# Altium PCB IDL_18_020.PcbDoc (part 2 of 2)
Units mil, origin at the board's own origin, x right, y up, seen from the top; angles counter-clockwise.
Board outline 5500 x 4500 mil, 4 copper layers (Top Layer, MID PWR, MID GND, Bottom Layer), stack 61.2 mil thick; 66 components, 112 nets, 782 pads, 477 vias.
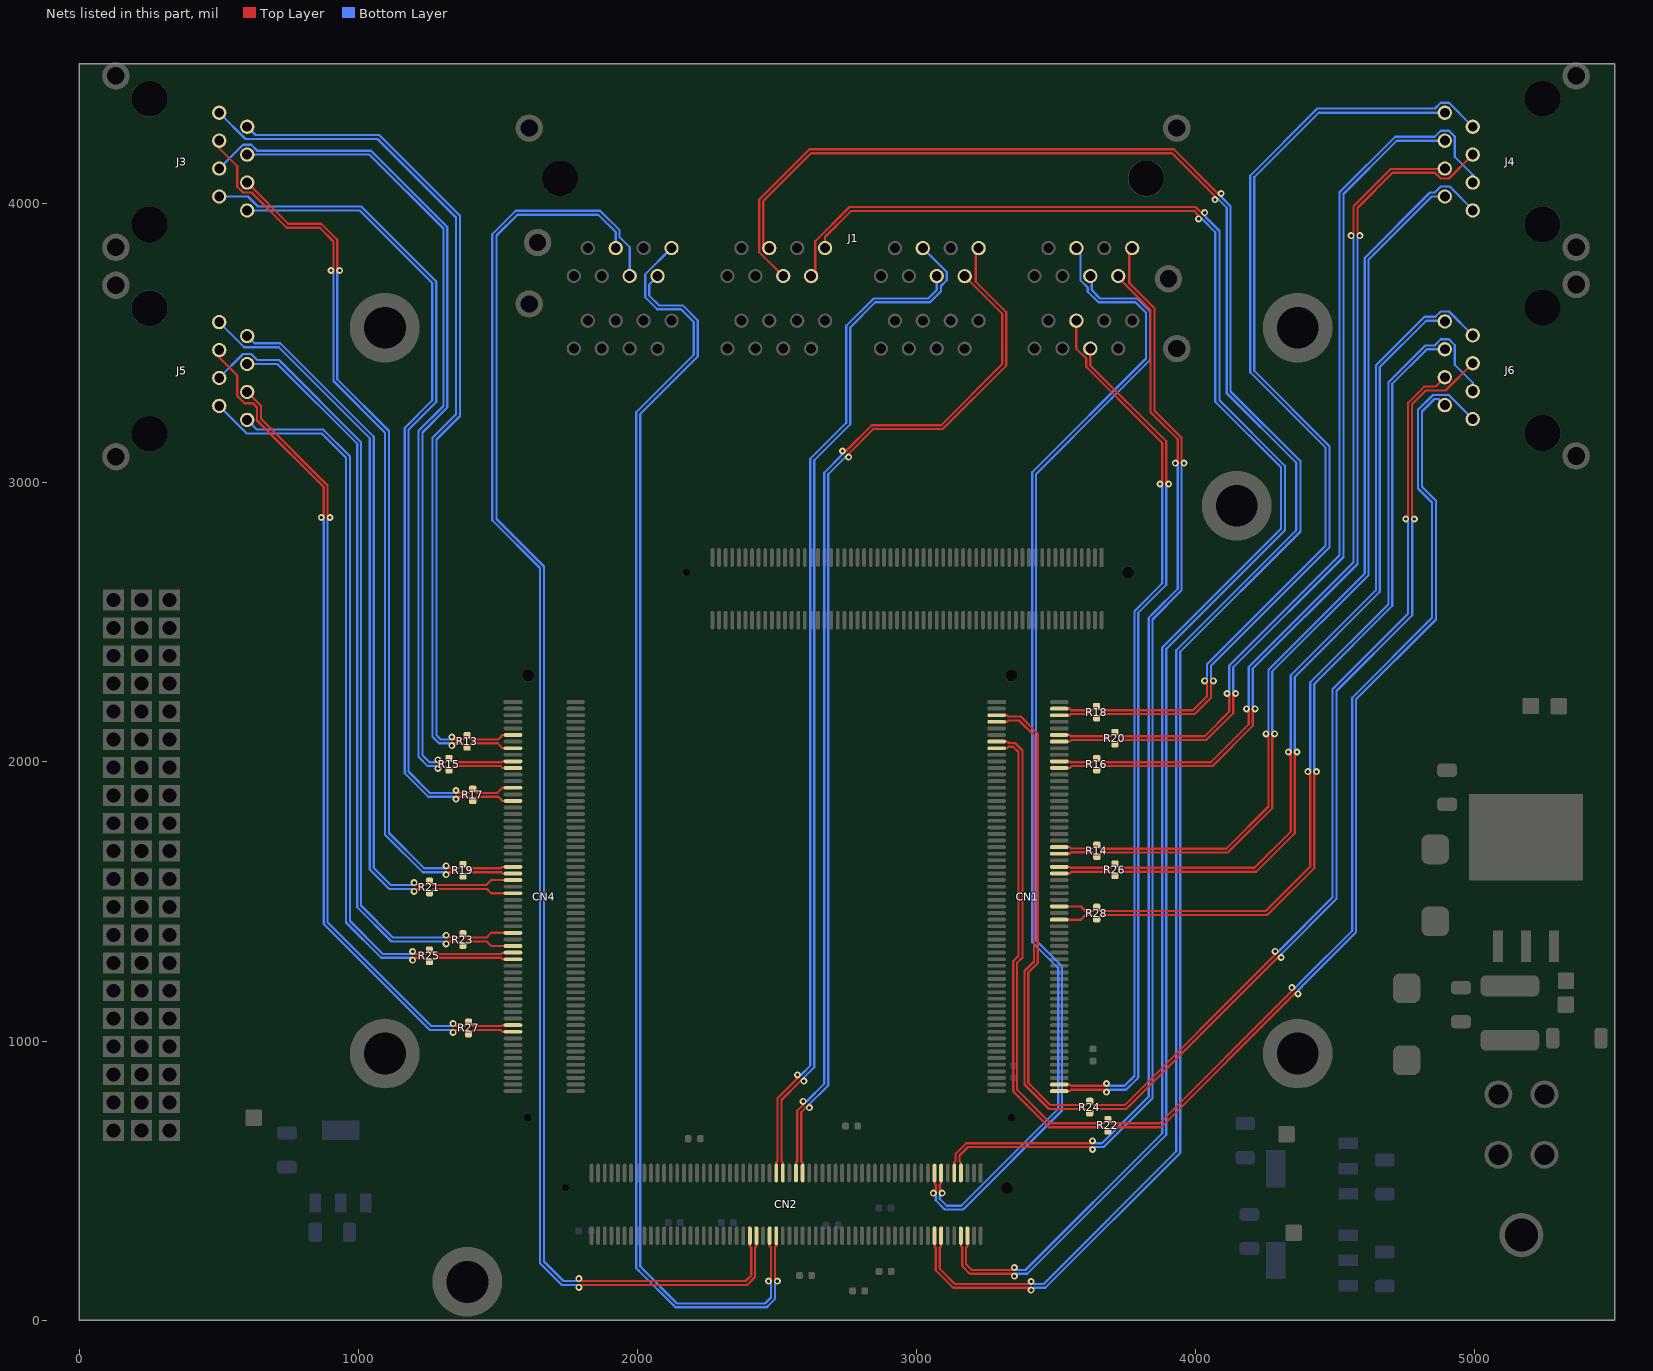
[diagram p4: the nets of this part, all layers, seen from the top]

## Via types
v1: diameter 25, hole 12, Top Layer to Bottom Layer, tented both sides, 316 vias
v2: diameter 25, hole 12, Top Layer to Bottom Layer, 161 vias

## Nets (pads, with @x,y where several pads share a name; then routed paths per layer and width w, separated by ;. In a path a pad name is that pad's centre, name@x,y a point inside that pad or via, vN(x,y) a via of type N, cw(c..) or ccw(c..) an arc to the next point about the centre after c; other vN are vias at no path point) (continued)
SC_DC_CLK4_N: CN1.61 J1.A4 | length 3082.5
  Top Layer w8: CN1.61@3510.81,820.51 3548.28,820.51 3553.09,825.32 3671.5,825.32 v1(3680,816.82) ; J1.A4@3622.13,3480.24 3622.13,3419.84 3894,3147.97 3894,3003.5 v1(3902.5,2995)
  Bottom Layer w8: v1(3680,816.82) 3688.5,825.32 3750.12,825.32 3789.9,865.1 ; 3789.9,865.1 3794,869.2 3794,2534 3894,2634 3894,2986.5 v1(3902.5,2995)
SC_DC_CLK4_P: CN1.62 J1.A5 | length 3174.2
  Top Layer w8: CN1.62@3510.81,844.13 3548.28,844.13 3553.09,839.32 3671.5,839.32 v1(3680,847.82) ; J1.A5@3572.13,3580.24 3572.13,3479.9 3607.17,3444.86 3607.17,3415 3827.87,3194.3 3880,3142.17 3880,3003.5 v1(3871.5,2995)
  Bottom Layer w8: v1(3680,847.82) 3688.5,839.32 3744.32,839.32 3780,875 3780,2539.8 3880,2639.8 3880,2986.5 v1(3871.5,2995)
SC_DC_DATA1_N: CN2.86 J1.H4 | length 5426.7
  Top Layer w8: v1(1790,117.5) 1798.5,126 2392.77,126 2421.36,154.59 2421.36,260.52 2426.17,265.33 CN2.86@2426.17,302.8
  Bottom Layer w8: v1(1790,117.5) 1781.5,126 1729.2,126 1651,204.2 1651,2694 1480,2865 1480,3889.8 1564.2,3974 1865.8,3974 1936.11,3903.69 1936.11,3878.89 1972.12,3842.88 J1.H4@1972.12,3740.23
SC_DC_DATA1_P: CN2.85 J1.H5 | length 5218.6
  Top Layer w8: v1(1790,148.5) 1798.5,140 2386.97,140 2407.36,160.39 2407.36,260.52 2402.55,265.33 CN2.85@2402.55,302.8
  Bottom Layer w8: v1(1790,148.5) 1781.5,140 1735,140 1665,210 1665,2699.8 1495,2869.8 1495,3885 1570,3960 1860,3960 1922.11,3897.89 J1.H5@1922.11,3840.23 J1.H5@1922.46,3840.23
SC_DC_DATA2_N: CN2.113 J1.G4 | length 7078.3
  Top Layer w8: J1.G4@2522.12,3740.23 2521.78,3740.23 2436.52,3825.48 2436.52,4014.35 2616.17,4194 3920.8,4194 4078.89,4035.91 v1(4090.91,4035.91) ; CN2.113@3063.96,302.8 3063.96,265.33 3068.78,260.52 3068.78,178.39 3127.07,120.1 ; v1(3410,107.5) 3401.5,116 3131.17,116 ; 3127.07,120.1 3131.17,116 ; 3127.07,120.1 3131.17,116
  Bottom Layer w8: v1(3410,107.5) 3418.5,116 3460.8,116 3944,599.2 3944,2394 4375,2825 4375,3076.3 4124.5,3326.8 4124.5,3990.3 4089.9,4024.9 4089.9,4034.9 v1(4090.91,4035.91)
SC_DC_DATA2_P: CN2.114 J1.G5 | length 6859.5
  Top Layer w8: J1.G5@2472.11,3840.23 2462.34,3850 2450.52,3850 2450.52,4008.55 2621.97,4180 3915,4180 4068.99,4026.01 v1(4068.99,4013.99) ; CN2.114@3087.59,302.8 3087.59,265.33 3082.78,260.52 3082.78,184.19 3136.97,130 3401.5,130 v1(3410,138.5)
  Bottom Layer w8: v1(3410,138.5) 3418.5,130 3455,130 3930,605 3930,2399.8 4360,2829.8 4360,3071.5 4110,3321.5 4110.5,3322 4110.5,3984.5 4080,4015 4070,4015 v1(4068.99,4013.99)
SC_DC_DATA3_N: CN2.32 J1.F4 | length 3574.1
  Top Layer w8: CN2.32@2497.04,527.2 2497.04,564.67 2501.85,569.48 2501.85,794.68 2574.57,867.4 2574.57,877.4 v1(2573.35,878.62)
  Bottom Layer w8: v1(2573.35,878.62) 2585.79,878.62 2619,911.83 2619,3085.8 2748,3214.8 2748,3561.83 2846.17,3660 3041.97,3660 3072.12,3690.15 J1.F4@3072.12,3740.07
SC_DC_DATA3_P: CN2.31 J1.F5 | length 3718.7
  Top Layer w8: CN2.31@2520.66,527.2 2520.66,564.67 2515.85,569.48 2515.85,788.88 2584.47,857.5 2594.47,857.5 v1(2595.69,856.28)
  Bottom Layer w8: v1(2595.69,856.28) 2595.69,868.72 2633,906.03 2633,3080 2762,3209 2762,3556.03 2851.97,3646 3047.77,3646 3086.97,3685.2 3086.97,3704.59 3107.71,3725.33 3107.71,3754.82 3022.46,3840.07 J1.F5@3022.11,3840.07
SC_DC_DATA4_N: CN2.8 J1.E4 | length 4085.7
  Top Layer w8: v1(3059.98,455) 3063.78,455 3068.78,460 3068.78,484.93 3063.96,489.74 CN2.8@3063.96,527.2
  Bottom Layer w8: v1(3059.98,455) 3068.78,446.2 3068.78,429.2 3101.98,396 3165.8,396 3521,751.2 3521,1266.8 3516.9,1270.9 3428,1359.8 3428,3031.2 3699,3302.2 3831.87,3435.07 3835.97,3439.17 3835.97,3614.1 3790.07,3660 3656.97,3660 3626.97,3690 3626.97,3735.38 J1.E4@3622.12,3740.23
SC_DC_DATA4_P: CN2.7 J1.E5 | length 4154.2
  Top Layer w8: CN2.7@3087.59,527.2 3087.59,489.74 3082.78,484.93 3082.78,460 3087.78,455 v1(3091.57,455)
  Bottom Layer w8: v1(3091.57,455) 3082.78,446.2 3082.78,435 3107.78,410 3160,410 3507,757 3507,1261 3414,1354 3414,3037 3821.97,3444.97 3821.97,3608.3 3784.27,3646 3651.17,3646 3612.97,3684.2 3612.97,3699.05 3586.53,3725.49 3586.53,3825.82 J1.E5@3572.12,3840.23
SC_DC_RX1_N: CN2.88 J1.H2 | length 4530.5
  Top Layer w8: v1(2469.43,140) 2478.22,148.8 2478.22,260.52 2473.41,265.33 CN2.88@2473.41,302.8
  Bottom Layer w8: J1.H2@2072.12,3739.84 2041.97,3709.69 2041.97,3670 2076.97,3635 2161.97,3635 2215.97,3581 2215.97,3452.17 2010,3246.2 2010,191.97 2010.8,191.97 2019,183.77 2019,182.97 2141.97,60 2456.97,60 2478.22,81.26 2478.22,131.2 v1(2469.43,140)
SC_DC_RX1_P: CN2.89 J1.H1 | length 4703.8
  Top Layer w8: CN2.89@2497.04,302.8 2497.04,265.33 2492.22,260.52 2492.22,148.8 v1(2501.02,140)
  Bottom Layer w8: J1.H1@2122.11,3840.23 2027.97,3746.08 2027.97,3664.2 2071.17,3621 2156.17,3621 2201.97,3575.2 2201.97,3457.97 1996,3252 1996,186.17 2004.2,177.97 2005,177.97 2005,177.17 2136.17,46 2462.77,46 2466.87,50.1 2492.22,75.46 2492.22,131.2 v1(2501.02,140)
SC_DC_RX2_N: CN2.117 J1.G2 | length 6255.5
  Top Layer w8: J1.G2@2622.12,3739.84 2636.52,3754.24 2636.52,3864.35 2759.67,3987.5 3999.3,3987.5 4002.8,3984 4019.89,3966.91 v1(4031.91,3966.91) ; CN2.117@3158.45,302.8 3158.45,265.33 3163.26,260.52 3163.26,193.91 3187.07,170.1 3191.17,166 3341.5,166 v1(3350,157.5)
  Bottom Layer w8: v1(3350,157.5) 3358.5,166 3395.8,166 3894,664.2 3894,2404 4314.9,2824.9 ; v1(4031.91,3966.91) 4031.91,3954.89 4038.4,3948.4 4085,3901.8 4085,3294.8 4319,3060.8 4319,2829 ; 4314.9,2824.9 4319,2829 ; 4314.9,2824.9 4319,2829
SC_DC_RX2_P: CN2.118 J1.G1 | length 6041.6
  Top Layer w8: J1.G1@2672.11,3840.23 2672.11,3880.15 2765.47,3973.5 3993.5,3973.5 4009.99,3957.01 v1(4009.99,3944.99) ; CN2.118@3182.07,302.8 3182.07,265.33 3177.26,260.52 3177.26,199.7 3196.97,180 3341.5,180 v1(3350,188.5)
  Bottom Layer w8: v1(3350,188.5) 3358.5,180 3390,180 3880,670 3880,2409.8 4305,2834.8 4305,3055 4070,3290 4070,3897 4022.01,3944.99 v1(4009.99,3944.99)
SC_DC_RX3_N: CN2.29 J1.F2 | length 3734.5
  Top Layer w8: CN2.29@2567.9,527.2 2567.9,564.67 2572.71,569.48 2572.71,750.54 2593.35,771.18 v1(2593.35,783.62) ; v1(2734.59,3113.41) 2746.61,3113.41 2839.2,3206 3087.97,3206 3306.97,3425 3306.97,3604.83 J1.F2@3172.12,3739.68
  Bottom Layer w8: v1(2593.35,783.62) 2605.79,783.62 2669,846.83 2669,3035.8 2734.59,3101.39 v1(2734.59,3113.41)
SC_DC_RX3_P: CN2.28 J1.F1 | length 3828.4
  Top Layer w8: CN2.28@2591.52,527.2 2591.52,564.67 2586.71,569.48 2586.71,744.74 2603.25,761.28 v1(2615.69,761.28) ; v1(2756.51,3091.49) 2756.51,3103.51 2845,3192 3093.77,3192 3320.97,3419.2 3320.97,3610.63 3211.97,3719.63 3211.97,3829.92 J1.F1@3222.11,3840.07
  Bottom Layer w8: v1(2615.69,761.28) 2615.69,773.72 2683,841.03 2683,3030 2744.49,3091.49 v1(2756.51,3091.49)
SC_DC_RX4_N: CN2.5 J1.E2 | length 3941.5
  Top Layer w8: CN2.5@3134.83,527.2 3134.83,564.67 3139.64,569.48 3139.64,595.8 3177.84,634 3621.5,634 v1(3630,642.5) ; J1.E2@3722.12,3724.85 J1.E2@3722.12,3734.85 ; J1.E2@3722.12,3740.23 J1.E2@3722.12,3734.85 ; 3855.1,3235.1 3837.97,3252.23 3837.97,3619 J1.E2@3722.12,3734.85 ; 3855.1,3235.1 3935,3155.2 3935,3078.5 v1(3926.5,3070)
  Bottom Layer w8: v1(3630,642.5) 3638.5,634 3664,634 3831,801 3831,2516 3850,2535 3935,2620 3935,3061.5 v1(3926.5,3070)
SC_DC_RX4_P: CN2.4 J1.E1 | length 4025
  Top Layer w8: CN2.4@3158.45,527.2 3158.45,564.67 3153.64,569.48 3153.64,590 3183.64,620 3621.5,620 v1(3630,611.5) ; J1.E1@3772.12,3840.23 3761.97,3830.08 3761.97,3714.8 3791.97,3684.8 3851.97,3624.8 3851.97,3258.03 3949,3161 3949,3078.5 v1(3957.5,3070)
  Bottom Layer w8: v1(3630,611.5) 3638.5,620 3669.8,620 3845,795.2 3845,2510.2 3949,2614.2 3949,3061.5 v1(3957.5,3070)
TRIG_AUX1_N: CN4.6 J3.A2 R13.1 | length 3095.5
  Top Layer w8: v1(1335,2088.85) 1343.5,2080.35 1375.35,2080.35 R13.1@1390,2095 1404.65,2080.35 1500.9,2080.35 1516.66,2096.1 CN4.6@1554.12,2096.1
  Bottom Layer w8: J3.A2@601.97,4275 631.97,4245 1074.8,4245 1364,3955.8 1364,3239 1280,3155 1280,2095.35 1295,2080.35 1326.5,2080.35 v1(1335,2088.85)
TRIG_AUX1_P: CN4.8 J3.A1 R13.2 | length 3223
  Top Layer w8: v1(1335,2057.85) 1343.5,2066.35 1375.35,2066.35 R13.2@1390,2051.69 1404.65,2066.35 1499.17,2066.35 1516.66,2048.86 CN4.8@1554.12,2048.86
  Bottom Layer w8: J3.A1@501.97,4325 501.97,4324.67 595.64,4231 1069,4231 1350,3950 1350,3244.8 1266,3160.8 1266,2089.55 1289.2,2066.35 1326.5,2066.35 v1(1335,2057.85)
TRIG_AUX2_N: CN4.10 J3.A5 R15.1 | length 3259.1
  Top Layer w8: v1(1285,2007.15) 1293.5,1998.65 1310.34,1998.65 R15.1@1324.99,2013.31 1339.64,1998.65 1513.7,1998.65 1516.66,2001.61 CN4.10@1554.12,2001.61
  Bottom Layer w8: J3.A5@501.97,4125 501.97,4125.33 587.23,4210.59 616.71,4210.59 637.56,4189.74 637.56,4189 1045.8,4189 1319,3915.8 1319,3269 1230,3180 1230,2023.65 1255,1998.65 1276.5,1998.65 v1(1285,2007.15)
TRIG_AUX2_P: CN4.11 J3.A4 R15.2 | length 3115.6
  Top Layer w8: v1(1285,1976.15) 1293.5,1984.65 1310.34,1984.65 R15.2@1324.99,1970 1339.64,1984.65 1510,1984.65 1516.66,1977.99 CN4.11@1554.12,1977.99
  Bottom Layer w8: J3.A4@601.97,4175 1040,4175 1305,3910 1305,3274.8 1216,3185.8 1216,2017.85 1249.2,1984.65 1276.5,1984.65 v1(1285,1976.15)
TRIG_AUX3_N: CN4.16 J3.A8 R17.1 | length 3016
  Top Layer w8: v1(1350,1866.15) 1358.5,1874.65 1395.35,1874.65 R17.1@1410,1860 1424.65,1874.65 1501.89,1874.65 1516.66,1859.88 CN4.16@1554.12,1859.88
  Bottom Layer w8: J3.A8@601.97,3975 1005,3975 1265,3715 1265,3294.8 1166,3195.8 1166,1959.2 1250.55,1874.65 1341.5,1874.65 v1(1350,1866.15)
TRIG_AUX3_P: CN4.14 J3.A7 R17.2 | length 3132.4
  Top Layer w8: v1(1350,1897.15) 1358.5,1888.65 1395.35,1888.65 R17.2@1410,1903.31 1424.65,1888.65 1498.18,1888.65 1516.66,1907.13 CN4.14@1554.12,1907.13
  Bottom Layer w8: J3.A7@501.97,4025 605,4025 641,3989 1010.8,3989 1279,3720.8 1279,3289 1180,3190 1180,1965 1256.35,1888.65 1341.5,1888.65 v1(1350,1897.15)
TRIG_AUX4_N: CN4.26 J3.A6 R19.1 | length 3134.3
  Top Layer w8: J3.A6@601.97,4075 749.47,3927.5 867.5,3927.5 925,3870 925,3768.5 v1(933.5,3760) ; v1(1315,1627.15) 1323.5,1618.65 1360.35,1618.65 R19.1@1375,1633.31 1389.65,1618.65 1511.65,1618.65 1516.66,1623.66 CN4.26@1554.12,1623.66
  Bottom Layer w8: v1(933.5,3760) 925,3751.5 925,3370 1110,3185 1110,1745 1236.35,1618.65 1306.5,1618.65 v1(1315,1627.15)
TRIG_AUX4_P: CN4.27 J3.A3 R19.2 | length 3360.9
  Top Layer w8: J3.A3@501.97,4225 501.97,4198.03 566.38,4133.62 566.38,4060.26 587.23,4039.41 617.76,4039.41 743.67,3913.5 861.7,3913.5 911,3864.2 911,3768.5 v1(902.5,3760) ; v1(1315,1596.15) 1323.5,1604.65 1360.35,1604.65 R19.2@1375,1590 1389.65,1604.65 1512.04,1604.65 1516.66,1600.04 CN4.27@1554.12,1600.04
  Bottom Layer w8: v1(902.5,3760) 911,3751.5 911,3364.2 1096,3179.2 1096,1739.2 1230.55,1604.65 1306.5,1604.65 v1(1315,1596.15)
TRIG_AUX5_N: CN4.28 J5.A2 R21.1 | length 2698.1
  Top Layer w8: v1(1200,1567.15) 1208.5,1558.65 1240.35,1558.65 R21.1@1255,1573.31 1269.65,1558.65 1458.72,1558.65 1476.49,1576.42 CN4.28@1554.12,1576.42
  Bottom Layer w8: J5.A2@601.97,3525 627.97,3499 720.8,3499 1055,3164.8 1055,1620 1116.35,1558.65 1191.5,1558.65 v1(1200,1567.15)
TRIG_AUX5_P: CN4.30 J5.A1 R21.2 | length 2823.9
  Top Layer w8: v1(1200,1536.15) 1208.5,1544.65 1240.35,1544.65 R21.2@1255,1530 1269.65,1544.65 1461.01,1544.65 1476.49,1529.17 CN4.30@1554.12,1529.17
  Bottom Layer w8: J5.A1@501.97,3575 501.97,3574.67 591.64,3485 715,3485 1041,3159 1041,1614.2 1110.55,1544.65 1191.5,1544.65 v1(1200,1536.15)
TRIG_AUX6_N: CN4.36 J5.A5 R23.1 | length 2954.5
  Top Layer w8: v1(1315,1378.85) 1315,1375.35 1320,1370.35 1360.35,1370.35 R23.1@1375,1385 1389.65,1370.35 1459.39,1370.35 1476.49,1387.44 CN4.36@1554.12,1387.44
  Bottom Layer w8: J5.A5@501.97,3375 501.97,3375.33 587.23,3460.59 606,3460.59 606,3460.8 606.21,3460.59 616.71,3460.59 638.3,3439 715.8,3439 1010,3144.8 1010,1485 1124.65,1370.35 1306.5,1370.35 v1(1315,1378.85)
TRIG_AUX6_P: CN4.38 J5.A4 R23.2 | length 2809.2
  Top Layer w8: v1(1315,1347.85) 1315,1351.35 1320,1356.35 1360.35,1356.35 R23.2@1375,1341.69 1389.65,1356.35 1460.34,1356.35 1476.49,1340.2 CN4.38@1554.12,1340.2
  Bottom Layer w8: J5.A4@601.97,3425 710,3425 996,3139 996,1479.2 1118.85,1356.35 1306.5,1356.35 v1(1315,1347.85)
TRIG_AUX7_N: CN4.39 J5.A8 R25.1 | length 2740.8
  Top Layer w8: v1(1195,1320.5) 1203.5,1312 1240.35,1312 R25.1@1255,1326.65 1269.65,1312 1512.08,1312 1516.66,1316.57 CN4.39@1554.12,1316.57
  Bottom Layer w8: J5.A8@601.97,3225 636.97,3190 874.8,3190 970,3094.8 970,1430 1088,1312 1186.5,1312 v1(1195,1320.5)
TRIG_AUX7_P: CN4.40 J5.A7 R25.2 | length 2867.7
  Top Layer w8: v1(1195,1289.5) 1203.5,1298 1240.35,1298 R25.2@1255,1283.35 1269.65,1298 1511.61,1298 1516.66,1292.95 CN4.40@1554.12,1292.95
  Bottom Layer w8: J5.A7@501.97,3275 501.97,3274.67 600.64,3176 869,3176 956,3089 956,1424.2 1082.2,1298 1186.5,1298 v1(1195,1289.5)
TRIG_AUX8_N: CN4.50 J5.A6 R27.1 | length 2864.7
  Top Layer w8: J5.A6@601.97,3325 651.56,3275.41 651.56,3228.44 890,2990 890,2883.5 v1(898.5,2875) ; v1(1340,1062.15) 1348.5,1053.65 1380.35,1053.65 R27.1@1395,1068.31 1409.65,1053.65 1513.58,1053.65 1516.66,1056.73 CN4.50@1554.12,1056.73
  Bottom Layer w8: v1(898.5,2875) 890,2866.5 890,1425 1261.35,1053.65 1331.5,1053.65 v1(1340,1062.15)
TRIG_AUX8_P: CN4.51 J5.A3 R27.2 | length 3092.9
  Top Layer w8: J5.A3@501.97,3475 501.97,3448.03 566.38,3383.62 566.38,3310.26 592.43,3284.2 622.97,3284.2 637.56,3269.61 637.56,3222.64 876,2984.2 876,2883.5 v1(867.5,2875) ; v1(1340,1031.15) 1348.5,1039.65 1380.35,1039.65 R27.2@1395,1025 1409.65,1039.65 1510.11,1039.65 1516.66,1033.11 CN4.51@1554.12,1033.11
  Bottom Layer w8: v1(867.5,2875) 876,2866.5 876,1419.2 1255.55,1039.65 1331.5,1039.65 v1(1340,1031.15)
TRIG_AUX9_N: CN1.97 J4.A2 R14.1 | length 3325.7
  Top Layer w8: CN1.97@3510.81,1670.91 3548.28,1670.91 3553.09,1675.72 3629.28,1675.72 R14.1@3645.37,1659.63 3660.02,1675 4114.8,1675 4274,1834.2 4274,2091.5 v1(4282.5,2100)
  Bottom Layer w8: v1(4282.5,2100) 4274,2108.5 4274,2324 4619,2669 4619,3799 4845,4025 J4.A2@4891.97,4025
TRIG_AUX9_P: CN1.98 J4.A1 R14.2 | length 3469.7
  Top Layer w8: CN1.98@3510.81,1694.53 3548.28,1694.53 3553.09,1689.72 3632.15,1689.72 R14.2@3645.37,1702.94 3659.31,1689 4109,1689 4260,1840 4260,2091.5 v1(4251.5,2100)
  Bottom Layer w8: v1(4251.5,2100) 4260,2108.5 4260,2329.8 4605,2674.8 4605,3804.8 4839.2,4039 4855.64,4039 4877.23,4060.59 4909.21,4060.59 4991.97,3977.83 J4.A1@4991.97,3975
TRIG_AUX10_N: CN1.110 J4.A5 R16.1 | length 3303.7
  Top Layer w8: CN1.110@3510.81,1977.99 3548.28,1977.99 3554.94,1984.65 3630.35,1984.65 R16.1@3645,1970 3659.65,1984.65 4059.45,1984.65 4204,2129.2 4204,2185 4209,2190 v1(4212.5,2190) ; v1(4587.5,3885) 4579,3893.5 4579,3984.2 4704.8,4110 4856.64,4110 4877.23,4089.41 4906.71,4089.41 4991.97,4174.67 J4.A5@4991.97,4175
  Bottom Layer w8: v1(4212.5,2190) 4204,2198.5 4204,2334 4579,2709 4579,3876.5 v1(4587.5,3885)
TRIG_AUX10_P: CN1.111 J4.A4 R16.2 | length 3179.6
  Top Layer w8: CN1.111@3510.81,2001.61 3548.28,2001.61 3551.24,1998.65 3630.35,1998.65 R16.2@3645,2013.31 3659.65,1998.65 4053.65,1998.65 4190,2135 4190,2185 4185,2190 v1(4181.5,2190) ; v1(4556.5,3885) 4565,3893.5 4565,3990 4699,4124 J4.A4@4890.97,4124 ; J4.A4@4876.7,4109.73 J4.A4@4890.97,4124 ; J4.A4@4891.97,4124 J4.A4@4890.97,4124 ; J4.A4@4891.97,4125 J4.A4@4890.97,4124
  Bottom Layer w8: v1(4181.5,2190) 4190,2198.5 4190,2339.8 4565,2714.8 4565,3876.5 v1(4556.5,3885)
TRIG_AUX11_N: CN1.118 J4.A8 R18.1 | length 3519.5
  Top Layer w8: CN1.118@3510.81,2166.97 3548.28,2166.97 3552.31,2171 3630,2171 R18.1@3644.65,2156.35 3659.31,2171 3995.8,2171 4049.9,2225.1 ; 4049.9,2225.1 4054,2229.2 4054,2281.5 v1(4062.5,2290)
  Bottom Layer w8: v1(4062.5,2290) 4054,2298.5 4054,2344 4479,2769 4479,3130.8 4209,3400.8 4209,4094 4440,4325 J4.A8@4891.97,4325
TRIG_AUX11_P: CN1.119 J4.A7 R18.2 | length 3664.7
  Top Layer w8: CN1.119@3510.81,2190.59 3548.28,2190.59 3553.87,2185 3630,2185 R18.2@3644.65,2199.65 3659.31,2185 3990,2185 4040,2235 4040,2281.5 v1(4031.5,2290)
  Bottom Layer w8: v1(4031.5,2290) 4040,2298.5 4040,2349.8 4465,2774.8 4465,3125 4195,3395 4195,4099.8 4435.2,4340 4856.64,4340 4877.23,4360.59 4906.71,4360.59 4991.97,4275.33 J4.A7@4991.97,4275
TRIG_AUX12_N: CN1.114 J4.A6 R20.1 | length 3150
  Top Layer w8: CN1.114@3510.81,2072.48 3548.28,2072.48 3553.8,2078 3695.36,2078 R20.1@3710.01,2063.35 3724.66,2078 4037.8,2078 4134,2174.2 4134,2236.5 v1(4142.5,2245)
  Bottom Layer w8: v1(4142.5,2245) 4134,2253.5 4134,2339 4529,2734 4529,4034 4720,4225 J4.A6@4891.97,4225
TRIG_AUX12_P: CN1.115 J4.A3 R20.2 | length 3394
  Top Layer w8: CN1.115@3510.81,2096.1 3548.28,2096.1 3552.38,2092 3695.36,2092 R20.2@3710.01,2106.65 3724.66,2092 4032,2092 4120,2180 4120,2236.5 v1(4111.5,2245)
  Bottom Layer w8: v1(4111.5,2245) 4120,2253.5 4120,2344.8 4515,2739.8 4515,4039.8 4714.2,4239 4855.64,4239 4877.23,4260.59 4906.71,4260.59 4927.56,4239.74 4927.56,4167.44 4991.97,4103.03 J4.A3@4991.97,4075
TRIG_AUX13_N: CN1.8 J6.A2 R22.1 | length 5016.1
  Top Layer w8: CN1.8@3286.41,2048.86 3323.87,2048.86 3328.68,2053.67 3346.33,2053.67 3365,2035 3365,1305 3350,1290 3345.9,1285.9 3345.9,819.3 3350,815.2 3473.85,691.35 3670.35,691.35 R22.1@3685,676.69 3699.65,691.35 3876.15,691.35 4353.89,1169.09 v1(4365.91,1169.09)
  Bottom Layer w8: v1(4365.91,1169.09) 4365.91,1181.11 4394.9,1210.1 4574,1389.2 4574,2224 4860,2510 4860,2935 4810,2985 4810,3255 4855,3300 4869.67,3300 J6.A2@4891.97,3277.71
TRIG_AUX13_P: CN1.7 J6.A1 R22.2 | length 5142.8
  Top Layer w8: CN1.7@3286.41,2072.48 3323.87,2072.48 3328.68,2067.67 3352.13,2067.67 3379,2040.8 3379,1299.2 3359.9,1280.1 3359.9,825.1 3479.65,705.35 3670.35,705.35 R22.2@3685,720 3699.65,705.35 3870.35,705.35 4343.99,1178.99 v1(4343.99,1191.01)
  Bottom Layer w8: v1(4343.99,1191.01) 4356.01,1191.01 4385,1220 4560,1395 4560,2229.8 4846,2515.8 4846,2929.2 4796,2979.2 4796,3260.8 4849.2,3314 4906.01,3314 4991.97,3228.04 J6.A1@4991.97,3227.71
TRIG_AUX14_N: CN1.4 J6.A5 R24.1 | length 5076.9
  Top Layer w8: CN1.4@3286.41,2143.35 3323.87,2143.35 3328.68,2148.16 3366.84,2148.16 3420,2095 3420,1285 3386,1251 3386,844.2 3473.85,756.35 3605.35,756.35 R24.1@3620,741.69 3634.65,756.35 3751.15,756.35 4293.89,1299.09 v1(4305.91,1299.09) ; v1(4783,2870) 4774.5,2878.5 4774.5,3280.5 4824,3330 4894.59,3330 4991.97,3427.37 J6.A5@4991.97,3427.71
  Bottom Layer w8: v1(4305.91,1299.09) 4305.91,1311.11 4504,1509.2 4504,1898.5 4504,2254 4775,2525 4775,2862 v1(4783,2870)
TRIG_AUX14_P: CN1.3 J6.A4 R24.2 | length 4949.8
  Top Layer w8: CN1.3@3286.41,2166.97 3323.87,2166.97 3328.68,2162.16 3372.64,2162.16 3434,2100.8 3434,1279.2 3400,1245.2 3400,850 3479.65,770.35 3605.35,770.35 R24.2@3620,785 3634.65,770.35 3745.35,770.35 4283.99,1308.99 v1(4283.99,1321.01) ; v1(4752,2870) 4760.5,2878.5 4760.5,3286.3 4818.2,3344 4858.26,3344 J6.A4@4891.97,3377.71
  Bottom Layer w8: v1(4283.99,1321.01) 4296.01,1321.01 4490,1515 4490,2260 4760,2530 4760,2862 v1(4752,2870)
TRIG_AUX15_N: CN1.94 J6.A8 R26.1 | length 3022.9
  Top Layer w8: CN1.94@3510.81,1600.04 3548.28,1600.04 3554.59,1606.35 3695.73,1606.35 R26.1@3710.38,1591.69 3725.03,1606.35 4216.15,1606.35 4354,1744.2 4354,2030 4359,2035 v1(4362.5,2035)
  Bottom Layer w8: v1(4362.5,2035) 4354,2043.5 4354,2304 4659,2609 4659,3414 4825,3580 4889.67,3580 J6.A8@4891.97,3577.71
TRIG_AUX15_P: CN1.95 J6.A7 R26.2 | length 3164.4
  Top Layer w8: CN1.95@3510.81,1623.66 3548.28,1623.66 3551.59,1620.35 3695.73,1620.35 R26.2@3710.38,1635 3725.03,1620.35 4210.35,1620.35 4340,1750 4340,2030 4335,2035 v1(4331.5,2035)
  Bottom Layer w8: v1(4331.5,2035) 4340,2043.5 4340,2309.8 4645,2614.8 4645,3419.8 4819.2,3594 4857.93,3594 4877.23,3613.3 4906.71,3613.3 4991.97,3528.04 J6.A7@4991.97,3527.71
TRIG_AUX16_N: CN1.87 J6.A6 R28.1 | length 3098.8
  Top Layer w8: CN1.87@3510.81,1434.68 3588.45,1434.68 3605.07,1451.31 3630.39,1451.31 R28.1@3645,1436.69 3659.65,1451.35 4256.15,1451.35 4424,1619.2 4424,1956.5 v1(4432.5,1965)
  Bottom Layer w8: v1(4432.5,1965) 4424,1973.5 4424,2279 4704,2559 4704,3354 4827.71,3477.71 J6.A6@4891.97,3477.71
TRIG_AUX16_P: CN1.89 J6.A3 R28.2 | length 3343.8
  Top Layer w8: CN1.89@3510.81,1481.93 3588.45,1481.93 3605.07,1465.31 3630.31,1465.31 R28.2@3645,1480 3659.65,1465.35 4250.35,1465.35 4410,1625 4410,1956.5 v1(4401.5,1965)
  Bottom Layer w8: v1(4401.5,1965) 4410,1973.5 4410,2284.8 4690,2564.8 4690,3359.8 4821.91,3491.71 4856.38,3491.71 4856.38,3492.45 4877.23,3513.3 4906.71,3513.3 4927.56,3492.45 4927.56,3422.44 4991.97,3358.03 J6.A3@4991.97,3327.71
pads on no net: BB2.2 BB2.4 BB2.6 BB2.7 BB2.8 BB2.9 BB2.10 BB2.11 BB2.12 BB2.13 BB2.14 BB2.15 BB3.1 BB3.3 BB3.5 BB3.6 BB3.7 BB3.8 BB3.9 BB3.10 BB3.11 BB3.12 BB3.13 BB3.14 BB3.15 BB4.2 BB4.4 BB4.6 BB4.7 BB4.8 BB4.9 BB4.10 BB4.11 BB4.12 BB4.13 BB4.14 BB4.15 BB5.3 BB5.8 BB5.13 CN1.2 CN1.6 CN1.10 CN1.11 CN1.12 CN1.14 CN1.15 CN1.16 CN1.18 CN1.19 CN1.20 CN1.22 CN1.23 CN1.24 CN1.26 CN1.27 CN1.28 CN1.30 CN1.31 CN1.32 CN1.34 CN1.35 CN1.36 CN1.38 CN1.39 CN1.40 CN1.42 CN1.43 CN1.44 CN1.46 CN1.47 CN1.48 CN1.50 CN1.51 CN1.52 CN1.54 CN1.55 CN1.56 CN1.58 CN1.59 CN1.60 CN1.69 CN1.70 CN1.71 CN1.73 CN1.74 CN1.75 CN1.79 CN1.81 CN1.82 CN1.83 CN1.85 CN1.86 CN1.90 CN1.91 CN1.93 CN1.99 CN1.101 CN1.102 CN1.103 CN1.105 CN1.106 CN1.107 CN1.109 CN1.113 CN1.117 CN1.120 CN1.121 CN1.122 CN2.1 CN2.2 CN2.3 CN2.9 CN2.10 CN2.11 CN2.25 CN2.27 CN2.33 CN2.35 CN2.41 CN2.42 CN2.43 CN2.49 CN2.50 CN2.51 CN2.52 CN2.53 CN2.55 CN2.56 CN2.57 CN2.58 CN2.59 CN2.60 CN2.61 CN2.62 CN2.64 CN2.65 CN2.66 CN2.67 CN2.68 CN2.69 CN2.70 CN2.71 CN2.72 CN2.73 CN2.74 CN2.76 CN2.79 CN2.82 CN2.84 CN2.90 CN2.92 CN2.96 CN2.97 CN2.98 CN2.100 CN2.104 CN2.108 CN2.112 CN2.115 CN2.116 CN2.121 CN2.122 CN3.11 CN3.12 CN3.13 CN3.15 CN3.16 CN3.17 CN3.18 CN3.19 CN3.20 CN3.21 CN3.23 CN3.24 CN3.25 CN3.26 CN3.27 CN3.28 CN3.29 CN3.31 CN3.32 CN3.33 CN3.34 CN3.35 CN3.36 CN3.37 CN3.39 CN3.40 CN3.41 CN3.42 CN3.43 CN3.44 CN3.45 CN3.47 CN3.48 CN3.49 CN3.50 CN3.51 CN3.52 CN3.53 CN3.55 CN3.56 CN3.57 CN3.58 CN3.59 CN3.60 CN3.66 CN3.67 CN3.68 CN3.72 CN3.73 CN3.74 CN3.75 CN3.76 CN3.77 CN3.78 CN3.80 CN3.81 CN3.82 CN3.83 CN3.84 CN3.85 CN3.86 CN3.88 CN3.89 CN3.91 CN3.92 CN3.93 CN3.94 CN3.96 CN3.98 CN3.99 CN3.100 CN3.101 CN3.102 CN3.104 CN3.105 CN3.106 CN3.107 CN3.108 CN3.109 CN3.110 CN3.121 CN3.122 CN4.7 CN4.12 CN4.15 CN4.34 CN4.35 CN4.42 CN4.43 CN4.44 CN4.46 CN4.47 CN4.48 CN4.52 CN4.54 CN4.55 CN4.56 CN4.58 CN4.59 CN4.60 CN4.63 CN4.65 CN4.66 CN4.67 CN4.69 CN4.70 CN4.71 CN4.73 CN4.74 CN4.75 CN4.77 CN4.78 CN4.79 CN4.81 CN4.85 CN4.86 CN4.87 CN4.89 CN4.90 CN4.91 CN4.93 CN4.94 CN4.95 CN4.97 CN4.98 CN4.99 CN4.101 CN4.102 CN4.103 CN4.105 CN4.106 CN4.107 CN4.109 CN4.110 CN4.111 CN4.113 CN4.114 CN4.115 CN4.121 CN4.122 J1.M1 J1.M2 J1.M3 J1.M4 J1.M5 J1.M6 J1.M7 J1.M8 J3.M1 J3.M2 J3.M3 J3.M4 J4.M1 J4.M2 J4.M3 J4.M4 J5.M1 J5.M2 J5.M3 J5.M4 J6.M1 J6.M2 J6.M3 J6.M4 JPWR1.5

## Polygon pours and split planes (outlines as drawn)
GND on Top Layer "GND_Top" (solid, remove dead copper, pour order 57): 0,4500 5500,4500 5500,0 0,0
2V5 on Top Layer "top_plate2" (solid, pour order 53): 1600,2200 1575,2225 1450,2225 1425,2200 1425,2130 1440,2115 1585,2115 1600,2130
5V on Top Layer "top_plate2" (solid, pour order 35): 5205,1284.03 5205,1494.03 5275,1564.03 5375,1564.03 5425,1614.03 5425,2114.03 5375,2164.03 5025,2164.03 4975,2114.03 4975,1964.03 4925,1914.03 4875,1914.03 4800,1839.03 4800,1639.03 4875,1564.03 5125,1564.03 5165,1524.03 5165,1284.03
RawFor_5V on Top Layer "Raw_5V" (solid, pour order 25): 5196.97,750 5346.97,750 5346.97,1160 5285,1160 5170,1045 5021.43,1045 5023.52,960 5196.97,960
5V on Top Layer "top_plate2" (solid, pour order 21): 3490,2475 3490,2765 3670,2765 3670,2475
no net on Top Layer "top_plate2" (solid, pour order 19): 3486.97,2715
no net on Top Layer "top_plate2" (solid, pour order 17): 3486.97,2715
GND on Bottom Layer "GND_Bot" (solid, pour order 55): 0,4500 5500,4500 5500,0 0,0
2V5 on Bottom Layer "top_plate2" (solid, pour order 51): 921.97,390 961.97,390 961.97,481.1 980.87,500 1061.97,500 1081.97,520 1081.97,720 1021.97,780 731.97,780 671.97,720 671.97,640 721.97,600 729.08,600 781.97,600 809.02,572.95 809.02,500 899.13,500 921.97,477.17
RawFor_2.5V on Bottom Layer "top_plate2" (solid, pour order 49): 821.97,460 901.97,460 901.97,75 821.97,75
RawFor_2.5V on Bottom Layer "top_plate2" (solid, pour order 43): 4511.97,147.99 4511.97,77.99 4951.97,77.99 4951.97,147.99
1V2 on Bottom Layer "top_plate2" (solid, pour order 41): 4587.41,187.99 4477.41,187.99 4467.41,177.99 4467.41,87.99 4457.41,77.99 4247.41,77.99 4137.41,187.99 4137.41,274.49 4150.92,287.99 4467.41,287.99 4517.41,237.99 4587.41,237.99
3V3 on Bottom Layer "top_plate2" (solid, pour order 39): 4581.97,517.99 4471.97,517.99 4461.97,507.99 4461.97,417.99 4451.97,407.99 4241.97,407.99 4131.97,517.99 4131.97,604.49 4145.47,617.99 4461.97,617.99 4511.97,567.99 4581.97,567.99
RawFor_2.5V on Bottom Layer "top_plate2" (solid, pour order 37): 4511.97,487.99 4511.97,422.99 4951.97,422.99 4951.97,487.99
GND on MID GND (split plane): 5479.9,20.1 20.1,20.09 20.1,4479.9 5479.9,4479.91
5V on MID PWR (split plane): 5479.9,2220.83 5479.9,1574.05 4895.21,1574.05 3942.13,2527.13 3940.04,2528.74 3937.61,2529.74 3935,2530.09 3470.09,2530.09 3470.09,2709.91 4990.82,2709.91
3V3 on MID PWR (split plane): 4609.91,1103.82 4609.91,793 4609.91,379.09 4065.18,379.09 3707.13,737.13 3705.04,738.74 3702.61,739.74 3700,740.09 3464.18,740.09 3367.13,837.13 3098.13,1106.13 3096.04,1107.74 3093.61,1108.74 3091,1109.09 2525.09,1109.09 2525.09,2238.91 3474.82,2238.91
1V2 on MID PWR (split plane): 3352.87,822.87 3452.87,722.87 3454.96,721.26 3455.67,720.97 3457.39,720.26 3460,719.91 3695.82,719.91 4053.87,361.87 4055.96,360.26 4058.39,359.26 4061,358.91 4609.91,358.91 4609.91,20.1 1617.09,20.1 1617.09,463.82 2242.18,1088.91 3086.82,1088.91
2V5 on MID PWR (split plane): 2504.91,1109.09 2238,1109.09 2235.39,1108.74 2233.67,1108.03 2232.96,1107.74 2230.87,1106.13 1602.82,478.09 86.09,478.09 86.09,1118.82 1206.18,2238.91 2504.91,2238.91
RawFor_2.5V on MID PWR (split plane): 5479.9,2249.36 5002.13,2727.13 5000.04,2728.74 4997.61,2729.74 4995,2730.09 3460,2730.09 3457.39,2729.74 3454.96,2728.74 3452.87,2727.13 3451.26,2725.04 3450.26,2722.61 3449.91,2720 3449.91,2520 3450.26,2517.39 3451.26,2514.96 3452.87,2512.87 3454.96,2511.26 3457.39,2510.26 3460,2509.91 3930.82,2509.91 4883.9,1556.84 4885.99,1555.23 4888.42,1554.23 4891.03,1553.88 5479.9,1553.88 5479.9,20.1 4630.09,20.1 4630.09,793 4630.09,1108 4629.74,1110.61 4628.73,1113.04 4627.13,1115.13 3486.13,2256.13 3484.04,2257.74 3481.61,2258.74 3479,2259.09 1202,2259.09 1199.39,2258.74 1196.96,2257.74 1194.87,2256.13 68.87,1130.13 67.26,1128.04 66.26,1125.61 65.91,1123 65.91,468 66.26,465.39 67.26,462.96 68.87,460.87 70.96,459.26 73.39,458.26 76,457.91 1596.91,457.91 1596.91,20.1 20.1,20.09 20.1,4479.9 5479.9,4479.91

## Other copper
MID PWR (plane layer: these items are gaps in the copper):
  lines w20: 1607,4 1607,468 ; 2515,1105 2515,2249 ; 4620,0 4620,793 4620,1108 3479,2249 2895,2249 1969,2249 1202,2249 76,1123 76,468 1607,468 ; 4620,369 4061,369 3700,730 3460,730 3360,830 3091,1099 2791,1099 2238,1099 1607,468 ; 5505,1563.97 4955,1563.97 4891.03,1563.97 3935,2520 3460,2520 3460,2720 4995,2720 5505,2210

## Silkscreen, mask and mechanical layers (free items; w line width, h text height)
Top Overlay:
  lines w10: 73.03,830 373.03,830 ; 73.03,930 373.03,930 ; 375,680 425,680 ; 375,780 425,780 ; 375,985 425,985 ; 375,1085 425,1085 ; 430,680 430,780 ; 430,985 430,1085
  text "J3" at 3731.97,2775 h50
  text "60" at 2211.97,2765 h25
  text "1" at 3681.97,2760 h25
  text "J4_018_G23" at 390,2570 h25
  text "61" at 2211.97,2460 h25
  text "120" at 3676.97,2455 h25
  text "J4_019_G20" at 391.97,2365 h25
  text "J4" at 1441.97,2275 h50
  text "J1" at 3186.97,2275 h50
  text "1" at 1526.97,2235 h25 r90
  text "1" at 3261.97,2235 h25 r90
  text "120" at 1831.97,2230 h25 r90
  text "120" at 3566.97,2230 h25 r90
  text "J4_020_H24" at 392.47,2165 h25
  text "J4_022_H22" at 391.97,1965 h25
  text "J4_023_H21" at 397.47,1765 h25
  text "J4_024_H20" at 397.47,1565 h25
  text "SCROD_TO_RJ45_BOARD / IDL_18_020 / KPL" at 2338.97,1470 h25
  text "J4_031_K24" at 401.97,1365 h25
  text "J4_032_K22" at 406.97,1170 h25
  text "2V5" at 450,1005 h50
  text "60" at 1521.97,765 h25 r90
  text "61" at 1826.97,765 h25 r90
  text "60" at 3256.97,765 h25 r90
  text "61" at 3561.97,765 h25 r90
  text "GND" at 450,710 h50
  text "J2" at 3301.97,560 h50
  text "60" at 1776.97,555 h25
  text "1" at 3246.97,550 h25
  text "61" at 1776.97,250 h25
  text "120" at 3241.97,245 h25
Bottom Overlay:
  lines w10: 73.03,1130 373.03,1130 ; 75,930 375,930 ; 373.03,680 423.03,680 ; 373.03,780 423.03,780 ; 373.03,980 423.03,980 ; 373.03,1080 423.03,1080 ; 428.03,680 428.03,780 ; 428.03,980 428.03,1080 ; 73.03,630 373.03,630 ; 73.03,630 373.03,630 ; 73.03,630 73.03,2630 373.03,2630 373.03,630 ; 73.03,830 373.03,830 73.03,830
  text "J4_018_G23" at 645,2570 h25
  text "J4_019_G20" at 645,2360 h25
  text "J4_018_G23" at 645,2165 h25
  text "J4_022_H22" at 645,1965 h25
  text "J4_023_H21" at 645,1765 h25
  text "J4_024_H20" at 650,1565 h25
  text "J4_031_K24" at 650,1365 h25
  text "J4_032_K22" at 650,1170 h25
  text "2V5" at 580,1000 h50
  text "GND" at 580,710 h50
Board Outline:
  lines w40: 0,0 3771.97,0 5500,0 5500,4500 0,4500 0,0
Sheet Top:
  lines w3.9: -385.8,-4716.48 15414.11,-4716.48 15414.11,6763.43 -385.8,6763.43 -385.8,-4716.48 ; -285.54,-4616.77 15313.85,-4616.77 15313.85,6663.72 -285.54,6663.72 -285.54,-4616.77
  lines w3.94: 8624.2,-4616.77 8624.2,-3906.57 15313.85,-3906.57 ; 8624.2,-4265.81 15314.2,-4265.81 ; 8624.2,-4146.57 13444.2,-4146.57 ; 8624.2,-4026.57 13444.2,-4026.57 ; 10129.2,-4265.81 10129.2,-3906.57 ; 11129.2,-4265.81 11129.2,-3906.57 ; 12719.2,-4265.81 12719.2,-3906.57 ; 13444.2,-4616.77 13444.2,-3906.57 ; 13444.2,-4086.57 15313.85,-4086.57
  text "Designer:" at 8649.2,-3996.57 h100
  text ".Designer" at 9214.2,-4001.57 h100
  text "Revision:" at 10154.2,-4001.57 h100
  text ".Version" at 10714.2,-4001.57 h100
  text "File:" at 11154.2,-4001.57 h100
  text ".Pcb_File_Name_No_Path" at 11354.2,-4001.57 h100
  text "Sheet  1 of  1" at 12749.2,-4001.57 h100
  text "Code:" at 13469.2,-4046.57 h100
  text "Drawn By:" at 8649.2,-4116.57 h100
  text ".Drawn_By" at 9214.2,-4116.57 h100
  text "Modif. Date:" at 10154.2,-4121.57 h100
  text "Date" at 10659.2,-4121.57 h100
  text "Variant:" at 11154.2,-4121.57 h100
  text ".VariantName" at 11519.2,-4121.57 h100
  text "ID:" at 13474.2,-4226.57 h100
  text "Approved By:" at 8649.2,-4236.57 h100
  text ".Approved_By" at 9214.2,-4236.57 h100
  text "Print Date:" at 10154.2,-4241.57 h100
  text ".Print_Date" at 10659.2,-4241.57 h100
  text "Signature:" at 11154.2,-4241.57 h100
  text "Size:  A3 H" at 12749.2,-4241.57 h100
  text "Title:" at 8649.2,-4366.57 h100
  text "University of Hawaii at Manoa" at 13475.62,-4374.84 h100
  text "High Energy Physics Group" at 13475.62,-4473.27 h100
  text ".Printout_Name" at 8874.2,-4506.57 h160
  text "Instrumentation Development Laboratory" at 13475.62,-4575.63 h100
Sheet Bot:
  lines w3.9: -386.06,-4716.28 -386.06,6763.62 15413.85,6763.62 15413.85,-4716.28 -386.06,-4716.28 ; -285.8,-4616.57 -285.8,6663.92 15313.58,6663.92 15313.58,-4616.57 -285.8,-4616.57
  lines w3.94: -286.15,-4265.62 6403.85,-4265.62 ; -285.8,-4086.38 1583.85,-4086.38 ; -285.8,-3906.38 6403.85,-3906.38 6403.85,-4616.57 ; 1583.85,-4616.57 1583.85,-3906.38 ; 1583.85,-4146.38 6403.85,-4146.38 ; 1583.85,-4026.38 6403.85,-4026.38 ; 2308.85,-4265.62 2308.85,-3906.38 ; 3898.85,-4265.62 3898.85,-3906.38 ; 4898.85,-4265.62 4898.85,-3906.38
  text "Designer:" at 6378.85,-3996.38 h100
  text "Sheet  1 of  1" at 2278.85,-4001.38 h100
  text ".Pcb_File_Name_No_Path" at 3673.85,-4001.38 h100
  text "File:" at 3873.85,-4001.38 h100
  text ".Version" at 4313.85,-4001.38 h100
  text "Revision:" at 4873.85,-4001.38 h100
  text ".Designer" at 5813.85,-4001.38 h100
  text "Code:" at 1558.85,-4046.38 h100
  text ".Drawn_By" at 5813.85,-4116.38 h100
  text "Drawn By:" at 6378.85,-4116.38 h100
  text ".VariantName" at 3508.85,-4121.38 h100
  text "Variant:" at 3873.85,-4121.38 h100
  text "Date" at 4368.85,-4121.38 h100
  text "Modif. Date:" at 4873.85,-4121.38 h100
  text "ID:" at 1553.85,-4226.38 h100
  text ".Approved_By" at 5813.85,-4236.38 h100
  text "Approved By:" at 6378.85,-4236.38 h100
  text "Size:  A3 H" at 2278.85,-4241.38 h100
  text "Signature:" at 3873.85,-4241.38 h100
  text ".Print_Date" at 4368.85,-4241.38 h100
  text "Print Date:" at 4873.85,-4241.38 h100
  text "Title:" at 6378.85,-4366.38 h100
  text "University of Hawaii at Manoa" at 1550.5,-4378.78 h100
  text "High Energy Physics Group" at 1550.5,-4477.21 h100
  text ".Printout_Name" at 6153.85,-4506.38 h160
  text "Instrumentation Development Laboratory" at 1550.5,-4579.57 h100
FabNTop:
  text ".IDLnum" at 13769.2,-4046.57 h160
  text "ASSEMBLY" at 12749.24,-4122.87 h100
  text ".BoardName" at 13769.2,-4226.57 h160
FabNBot:
  text ".IDLnum" at 1258.85,-4046.38 h160
  text "ASSEMBLY" at 2278.77,-4122.87 h100
  text ".BoardName" at 1258.85,-4226.38 h160
PCBNTop:
  text ".IDLnum" at 13769.2,-4046.57 h160
  text "PCB" at 12749.24,-4122.87 h100
  text ".BoardName" at 13769.2,-4226.57 h160
PCBNBot:
  text ".IDLnum" at 1259.08,-4046.1 h160
  text "PCB" at 2278.77,-4122.87 h100
  text ".BoardName" at 1258.85,-4226.38 h160
Drill Drawing:
  drawing of 1176 lines, arcs and shapes, not listed
  text "Notes:" at 7410.17,5663.96 h130
  text "1. Board shall be fabricated - performace class II as per IPC-6011 and IPC6012" at 7410.17,5538.96 h100
  text "2. PCB manufacturer logo, P/N, revision and/or date code of manufacturing" at 7410.17,5413.96 h100
  text "shall be printed in top solder mask (not over pcb traces, allowed over copper plane)." at 7510.17,5313.96 h100
  text "The date code shall be in the format: \"WWYY\" where WW=week and YY= year, max height 0.15 inches" at 7510.17,5213.96 h100
  text "3. Silkscreen printed on both sides" at 7410.17,5088.96 h100
  text "4. Material: high temperature FR4 class epoxy glass rated UL94V-0. UL symbol and rating shall be marked farside" at 7410.17,4963.96 h100
  text "35um copper for external layers and 18um for all internal layers" at 7510.19,4863.96 h100
  text "Must be RoHS compliant and survive a lead-free assembly max reflow of 260 deg C (5 passes)" at 7510.17,4763.96 h100
  text "Td rating: >340 deg C" at 7560.17,4638.96 h100
  text "Tg = 150 deg C (min)" at 7564.2,4528.7 h100
  text "5. Solder mask: SMOBC per IPC-SM-840C, class T must be Rohs compliant, 0.001\" max measured over bare copper plating," at 7410.17,4288.96 h100
  text "must clear all lands as indicated on gerber solder mask layers, color= GREEN" at 7510.17,4188.96 h100
  text "6. Finish: electro-less nickel immersion gold (ENIG), 0.05-0.125um Au over 3-6um Ni - over bare copper only" at 7409.96,4035.14 h100
  text "7. Solderability test: Category 2 of J-STD-003" at 7410.17,3888.96 h100
  text "8. Finished boards shall not have nicks, scratches, voids, exposed copper, poor plating or misdrilled holes" at 7410.17,3738.96 h100
  text "9. All holes sizes are after plating" at 7410.17,3588.96 h100
  text "10. PCB manufacturer may add copper thieving as needed to improve manufacturability," at 7360.17,3438.96 h100
  text "thieving to be 0.030\" round pads at 0.050\" spacing." at 7510.17,3338.96 h100
  text "Thieving will have a minimum of 0.100\" clearance from existing copper and should not be placed under surface mounted devices" at 7510.17,3238.96 h100
  text "11. PCB manufacturer may use tear drops to improve annular rings as long as DRC rules are followed" at 7365.17,3098.96 h100
  text "12. All via connections to power and ground planes are solid" at 7365.17,2958.96 h100
  text "13. All unconnected pads on inner signal layers are removed" at 7365.17,2818.96 h100
  text "14. All finished boards are to be 100% electrically tested" at 7365.19,2678.96 h100
  text "15. Unless otherwise indicated, all linear toleracnes shall be XX.X +/-0.2mm and XX.XX +/- 0.1mm" at 7365.17,2538.96 h100
  text "16. Gerber file GM1 shows board outline (milling line)" at 7365.16,2398.95 h100
  text "17. Table 1 shows Layer stack details" at 7365.15,2258.93 h100
  text "Table 1a: Layer Stack Details in mils for IDL_17_009 Rev.A" at 7298.57,2068.66 h98.43
  text "Layer" at 7366.07,1926.16 h60
  text "Name" at 7775.98,1926.16 h60
  text "Material" at 8705.73,1926.16 h60
  text "Thickness" at 9565.49,1926.16 h60
  text "Constant" at 10215.33,1926.16 h60
  text "Board Layer Stack" at 10785.19,1926.16 h60
  text "Board Layer Stack" at 11904.87,1926.16 h60
  text "1" at 7366.07,1806.16 h60
  text "Top Overlay" at 7775.98,1806.16 h60
  text "2" at 7366.07,1686.16 h60
  text "Top Solder" at 7775.98,1686.16 h60
  text "Solder Resist" at 8705.73,1686.16 h60
  text "0.40mil" at 9565.49,1686.16 h60
  text "3.5" at 10215.33,1686.16 h60
  text "3" at 7366.07,1566.16 h60
  text "Top Layer" at 7775.98,1566.16 h60
  text "Copper" at 8705.73,1566.16 h60
  text "1.38mil" at 9565.49,1566.16 h60
  text "4" at 7366.07,1446.16 h60
  text "Dielectric 1" at 7775.98,1446.16 h60
  text "FR-4" at 8705.73,1446.16 h60
  text "9.00mil" at 9565.49,1446.16 h60
  text "4.65" at 10215.33,1446.16 h60
  text "5" at 7366.07,1326.16 h60
  text "MID PWR" at 7775.98,1326.16 h60
  text "Copper" at 8705.73,1326.16 h60
  text "1.42mil" at 9565.49,1326.16 h60
  text "6" at 7366.07,1206.16 h60
  text "Dielectric 2" at 7775.98,1206.16 h60
  text "FR-4" at 8705.73,1206.16 h60
  text "37.61mil" at 9565.49,1206.16 h60
  text "4.65" at 10215.33,1206.16 h60
  text "7" at 7366.07,1086.16 h60
  text "MID GND" at 7775.98,1086.16 h60
  text "Copper" at 8705.73,1086.16 h60
  text "1.42mil" at 9565.49,1086.16 h60
  text "8" at 7366.07,966.16 h60
  text "Dielectric 3" at 7775.98,966.16 h60
  text "FR-4" at 8705.73,966.16 h60
  text "9.00mil" at 9565.49,966.16 h60
  text "4.65" at 10215.33,966.16 h60
  text "9" at 7366.07,846.16 h60
  text "Bottom Layer" at 7775.98,846.16 h60
  text "Copper" at 8705.73,846.16 h60
  text "1.38mil" at 9565.49,846.16 h60
  text "10" at 7366.07,726.16 h60
  text "Bottom Solder" at 7775.98,726.16 h60
  text "Solder Resist" at 8705.73,726.16 h60
  text "0.40mil" at 9565.49,726.16 h60
  text "3.5" at 10215.33,726.16 h60
  text "11" at 7366.07,606.16 h60
  text "Bottom Overlay" at 7775.98,606.16 h60
  text "Table 1b: Layer Stack Details in mm  for IDL_17_009 Rev.A" at 7303.57,30.66 h98.43
  text "Layer" at 7389.47,-153 h60
  text "Name" at 7799.38,-153 h60
  text "Material" at 8729.13,-153 h60
  text "Thickness" at 9588.89,-153 h60
  text "Constant" at 10238.73,-153 h60
  text "Board Layer Stack" at 10808.59,-153 h60
  text "Board Layer Stack" at 11928.27,-153 h60
  text "1" at 7389.47,-273 h60
  text "Top Overlay" at 7799.38,-273 h60
  text "2" at 7389.47,-393 h60
  text "Top Solder" at 7799.38,-393 h60
  text "Solder Resist" at 8729.13,-393 h60
  text "0.010mm" at 9588.89,-393 h60
  text "3.5" at 10238.73,-393 h60
  text "3" at 7389.47,-513 h60
  text "Top Layer" at 7799.38,-513 h60
  text "Copper" at 8729.13,-513 h60
  text "0.035mm" at 9588.89,-513 h60
  text "4" at 7389.47,-633 h60
  text "Dielectric 1" at 7799.38,-633 h60
  text "FR-4" at 8729.13,-633 h60
  text "0.229mm" at 9588.89,-633 h60
  text "4.65" at 10238.73,-633 h60
  text "5" at 7389.47,-753 h60
  text "MID PWR" at 7799.38,-753 h60
  text "Copper" at 8729.13,-753 h60
  text "0.036mm" at 9588.89,-753 h60
  text "6" at 7389.47,-873 h60
  text "Dielectric 2" at 7799.38,-873 h60
  text "FR-4" at 8729.13,-873 h60
  text "0.955mm" at 9588.89,-873 h60
  text "4.65" at 10238.73,-873 h60
  text "7" at 7389.47,-993 h60
  text "MID GND" at 7799.38,-993 h60
  text "Copper" at 8729.13,-993 h60
  text "0.036mm" at 9588.89,-993 h60
  text "8" at 7389.47,-1113 h60
  text "Dielectric 3" at 7799.38,-1113 h60
  text "FR-4" at 8729.13,-1113 h60
  text "0.229mm" at 9588.89,-1113 h60
  text "4.65" at 10238.73,-1113 h60
  text "9" at 7389.47,-1233 h60
  text "Bottom Layer" at 7799.38,-1233 h60
  text "Copper" at 8729.13,-1233 h60
  text "0.035mm" at 9588.89,-1233 h60
  text "10" at 7389.47,-1353 h60
  text "Bottom Solder" at 7799.38,-1353 h60
  text "Solder Resist" at 8729.13,-1353 h60
  text "0.010mm" at 9588.89,-1353 h60
  text "3.5" at 10238.73,-1353 h60
  text "11" at 7389.47,-1473 h60
  text "Bottom Overlay" at 7799.38,-1473 h60
  text "Table 2: Drill Details for IDL_17_002 Rev.A" at 7311,-1839 h98.43
  text "Symbol" at 7401.28,-1971.5 h72
  text "Count" at 7907.16,-1971.5 h72
  text "Hole Size" at 8507,-1971.5 h72
  text "Plated" at 9656.66,-1971.5 h72
  text "Hole Type" at 10162.54,-1971.5 h72
  text "Drill Layer Pair" at 10896.34,-1971.5 h72
  text "Via/Pad" at 12395.89,-1971.5 h72
  text "Pad Shape" at 12985.74,-1971.5 h72
  text "1" at 7907.16,-2121.5 h60
  text "118.11mil (3.000mm)" at 8507,-2121.5 h60
  text "PTH" at 9656.66,-2121.5 h60
  text "Round" at 10162.54,-2121.5 h60
  text "Top Layer - Bottom Layer" at 10896.34,-2121.5 h60
  text "Pad" at 12395.89,-2121.5 h60
  text "Rounded" at 12985.74,-2121.5 h60
  text "4" at 7907.16,-2271.5 h60
  text "27.56mil (0.700mm)" at 8507,-2271.5 h60
  text "NPTH" at 9656.66,-2271.5 h60
  text "Round" at 10162.54,-2271.5 h60
  text "Top Layer - Bottom Layer" at 10896.34,-2271.5 h60
  text "Pad" at 12395.89,-2271.5 h60
  text "Rounded" at 12985.74,-2271.5 h60
  text "4" at 7907.16,-2421.5 h60
  text "43.31mil (1.100mm)" at 8507,-2421.5 h60
  text "NPTH" at 9656.66,-2421.5 h60
  text "Round" at 10162.54,-2421.5 h60
  text "Top Layer - Bottom Layer" at 10896.34,-2421.5 h60
  text "Pad" at 12395.89,-2421.5 h60
  text "Rounded" at 12985.74,-2421.5 h60
  text "4" at 7907.16,-2571.5 h60
  text "72.00mil (1.829mm)" at 8507,-2571.5 h60
  text "PTH" at 9656.66,-2571.5 h60
  text "Round" at 10162.54,-2571.5 h60
  text "Top Layer - Bottom Layer" at 10896.34,-2571.5 h60
  text "Pad" at 12395.89,-2571.5 h60
  text "Rounded" at 12985.74,-2571.5 h60
  text "6" at 7907.16,-2721.5 h60
  text "61.81mil (1.570mm)" at 8507,-2721.5 h60
  text "PTH" at 9656.66,-2721.5 h60
  text "Round" at 10162.54,-2721.5 h60
  text "Top Layer - Bottom Layer" at 10896.34,-2721.5 h60
  text "Pad" at 12395.89,-2721.5 h60
  text "Rounded" at 12985.74,-2721.5 h60
  text "6" at 7907.16,-2871.5 h60
  text "150.00mil (3.810mm)" at 8507,-2871.5 h60
  text "PTH" at 9656.66,-2871.5 h60
  text "Round" at 10162.54,-2871.5 h60
  text "Top Layer - Bottom Layer" at 10896.34,-2871.5 h60
  text "Pad" at 12395.89,-2871.5 h60
  text "Rounded" at 12985.74,-2871.5 h60
  text "8" at 7907.16,-3021.5 h60
  text "62.99mil (1.600mm)" at 8507,-3021.5 h60
  text "PTH" at 9656.66,-3021.5 h60
  text "Round" at 10162.54,-3021.5 h60
  text "Top Layer - Bottom Layer" at 10896.34,-3021.5 h60
  text "Pad" at 12395.89,-3021.5 h60
  text "Rounded" at 12985.74,-3021.5 h60
  text "10" at 7907.16,-3171.5 h60
  text "127.95mil (3.250mm)" at 8507,-3171.5 h60
  text "NPTH" at 9656.66,-3171.5 h60
  text "Round" at 10162.54,-3171.5 h60
  text "Top Layer - Bottom Layer" at 10896.34,-3171.5 h60
  text "Pad" at 12395.89,-3171.5 h60
  text "Rounded" at 12985.74,-3171.5 h60
  text "60" at 7907.16,-3321.5 h60
  text "50.00mil (1.270mm)" at 8507,-3321.5 h60
  text "PTH" at 9656.66,-3321.5 h60
  text "Round" at 10162.54,-3321.5 h60
  text "Top Layer - Bottom Layer" at 10896.34,-3321.5 h60
  text "Pad" at 12395.89,-3321.5 h60
  text "Rectangle" at 12985.74,-3321.5 h60
  text "96" at 7907.16,-3471.5 h60
  text "35.43mil (0.900mm)" at 8507,-3471.5 h60
  text "PTH" at 9656.66,-3471.5 h60
  text "Round" at 10162.54,-3471.5 h60
  text "Top Layer - Bottom Layer" at 10896.34,-3471.5 h60
  text "Pad" at 12395.89,-3471.5 h60
  text "Rounded" at 12985.74,-3471.5 h60
  text "477" at 7907.16,-3621.5 h60
  text "12.00mil (0.305mm)" at 8507,-3621.5 h60
  text "PTH" at 9656.66,-3621.5 h60
  text "Round" at 10162.54,-3621.5 h60
  text "Top Layer - Bottom Layer" at 10896.34,-3621.5 h60
  text "Via" at 12395.89,-3621.5 h60
  text "Rounded" at 12985.74,-3621.5 h60
  text "676 Total" at 7907.16,-3771.5 h60

## Text inside footprints (layer, text, board x,y; h text height)
L1: Top Overlay "IDL" at 2341.37,1724.3 h50; Top Overlay "Instrumentation" at 2341.37,1674.3 h25; Top Overlay "Development" at 2341.37,1634.3 h25; Top Overlay "Lab" at 2341.37,1594.3 h25